# Altium PCB SmartGarden_PCB.PcbDoc (part 1 of 2)
Units mm, origin at the board's own origin, x right, y up, seen from the top; angles counter-clockwise.
Board outline 100 x 70 mm, 4 copper layers (Top Layer, GND, PWR, Bottom Layer), stack 1.446 mm thick; 123 components, 85 nets, 388 pads, 282 vias.
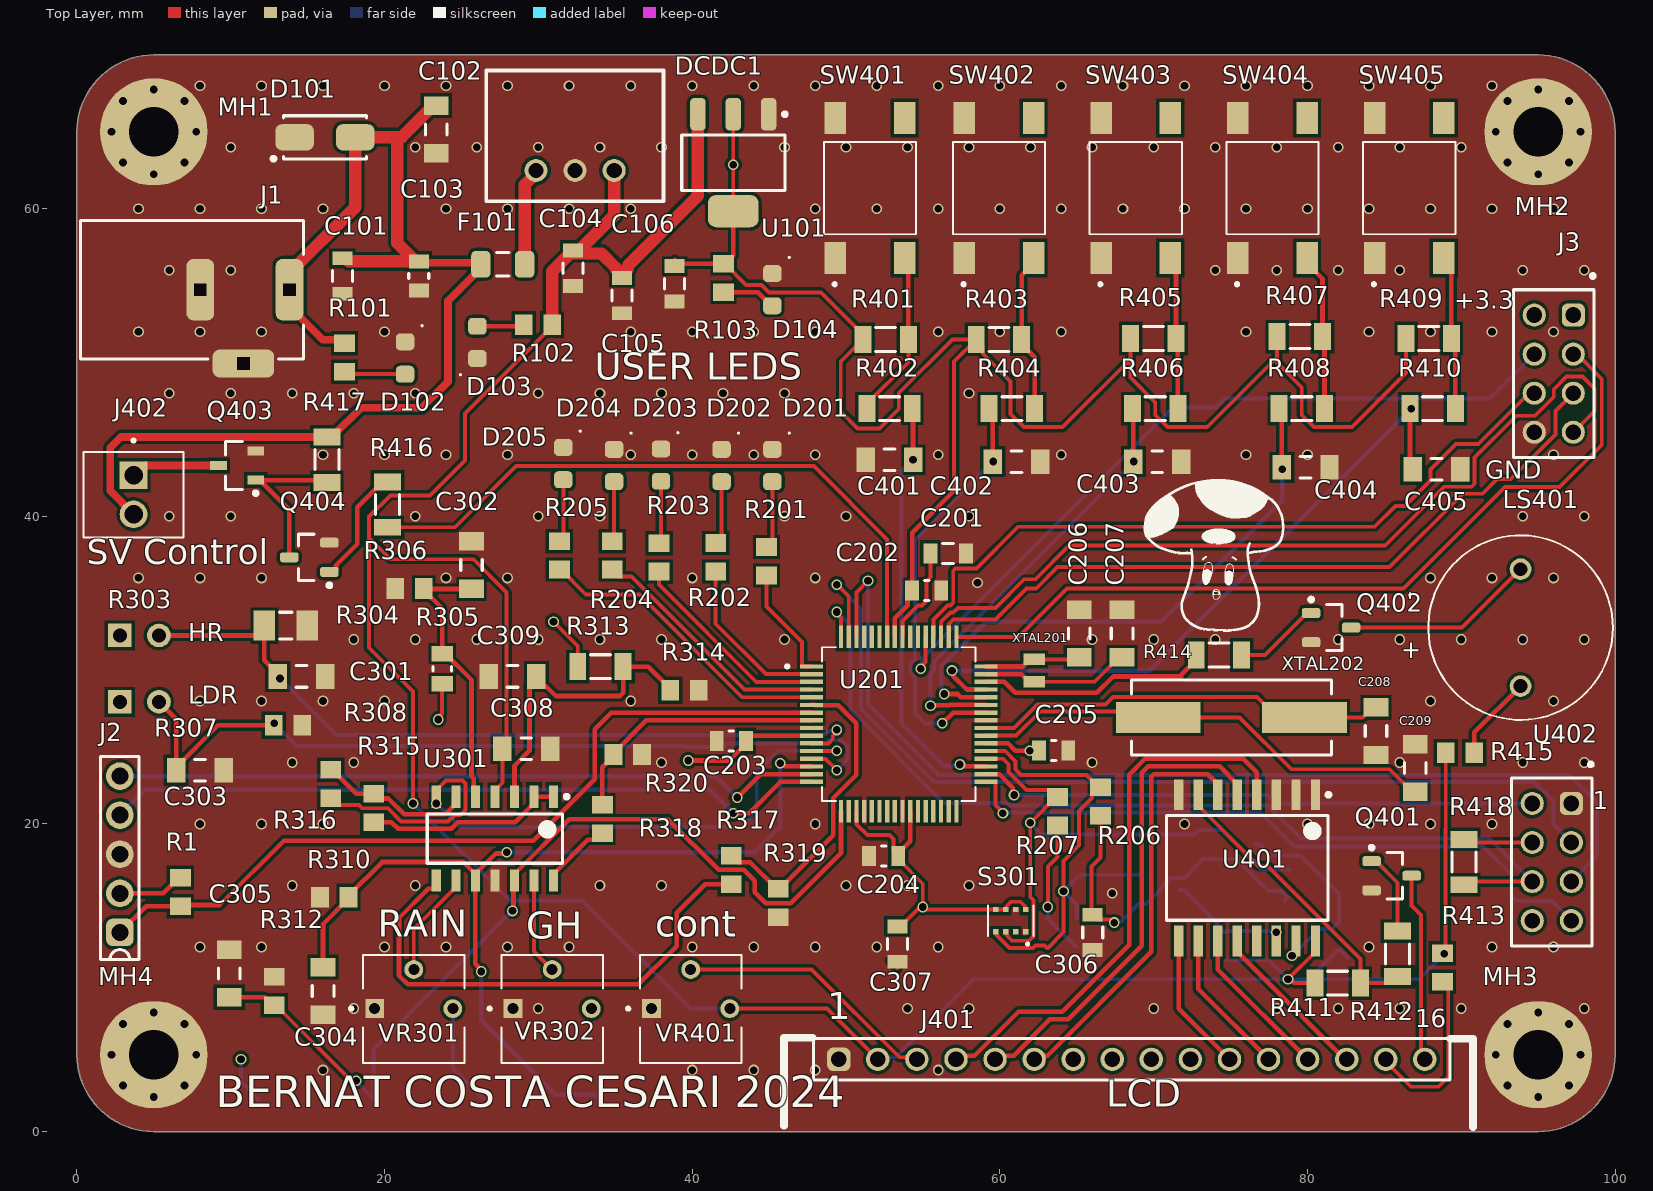
[diagram p0: Top Layer view]
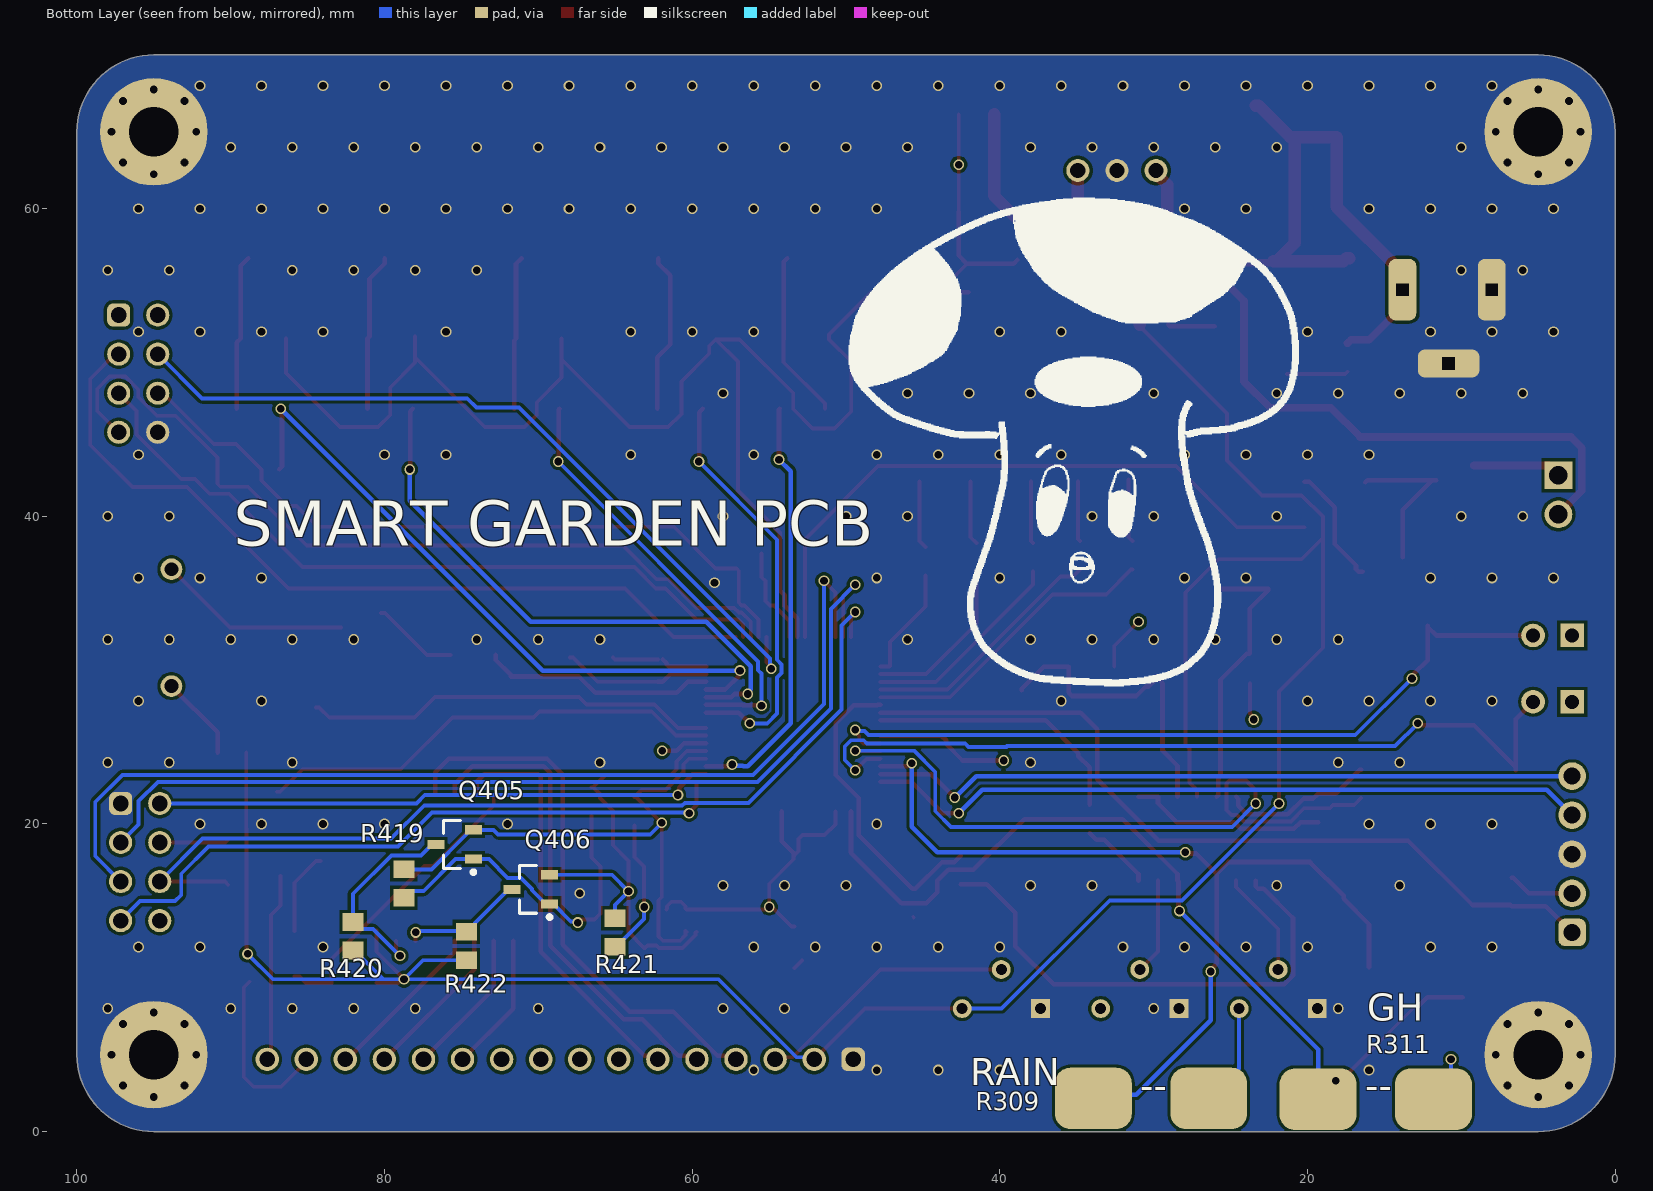
[diagram p1: Bottom Layer view, seen from below]
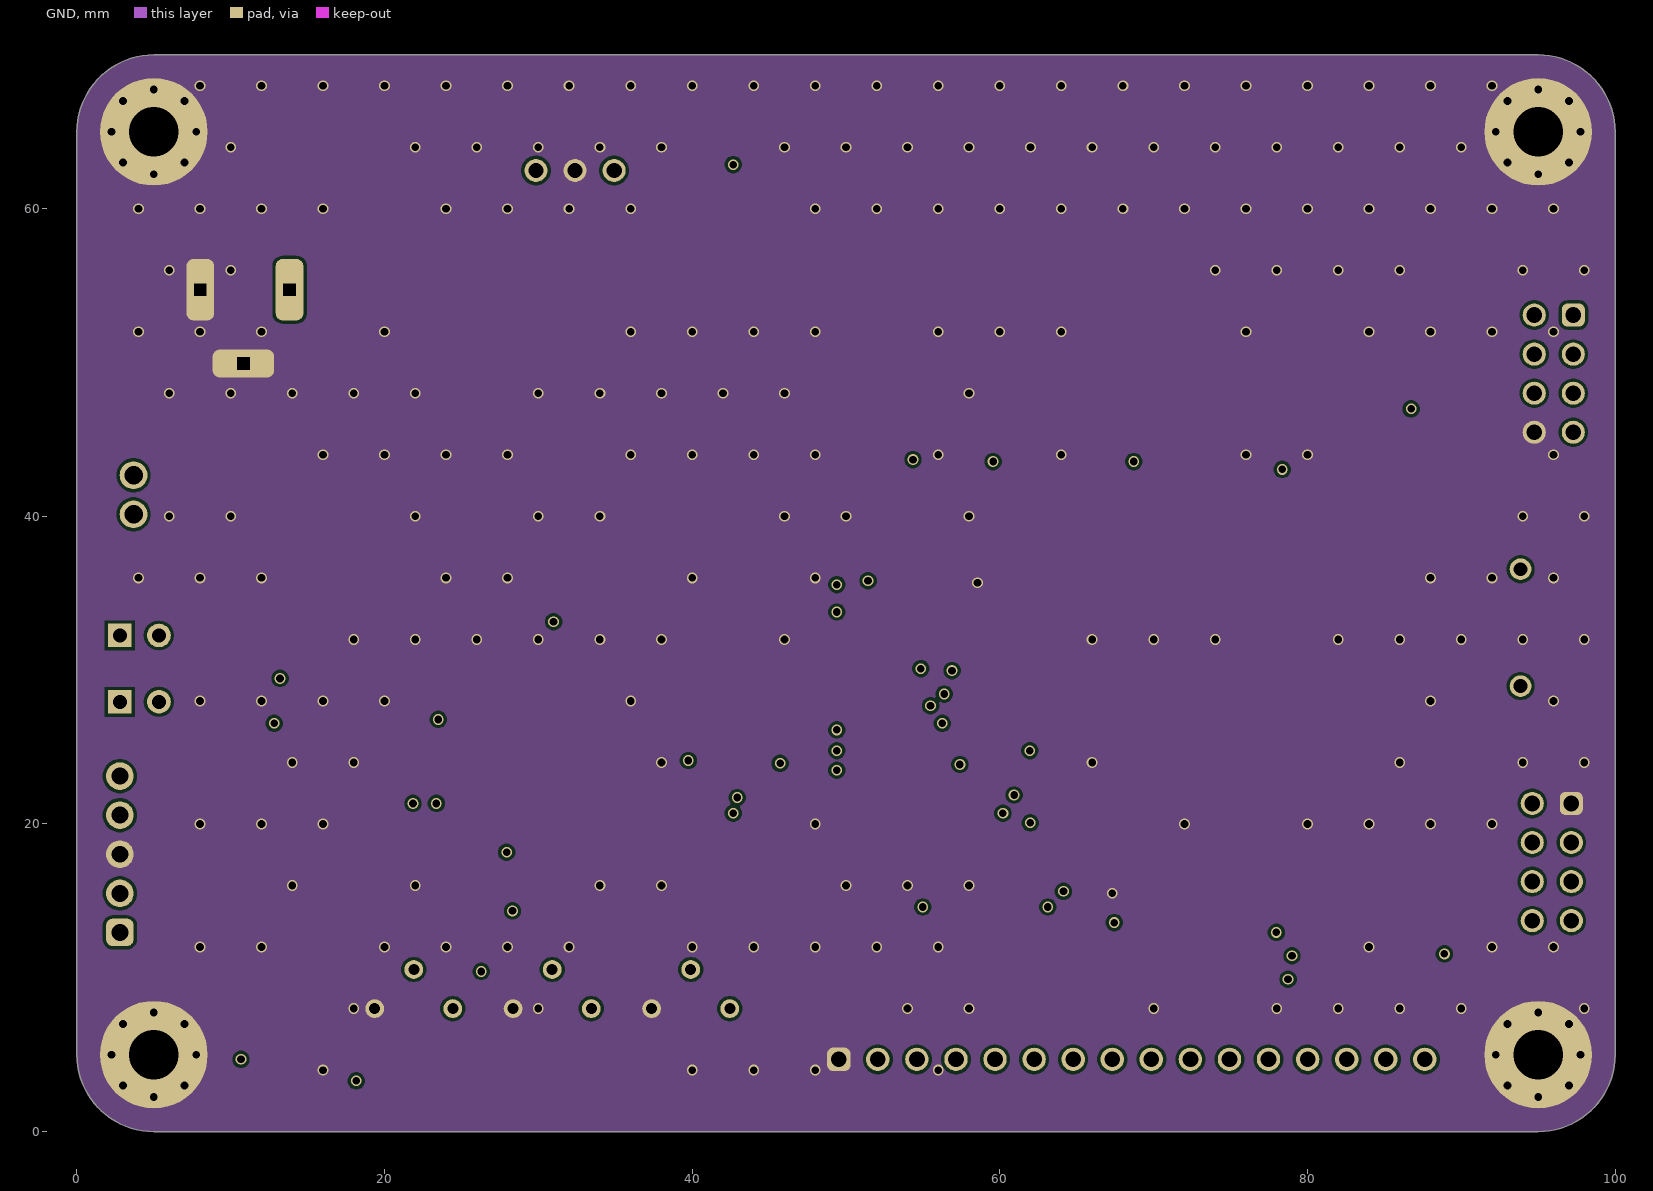
[diagram p2: GND]
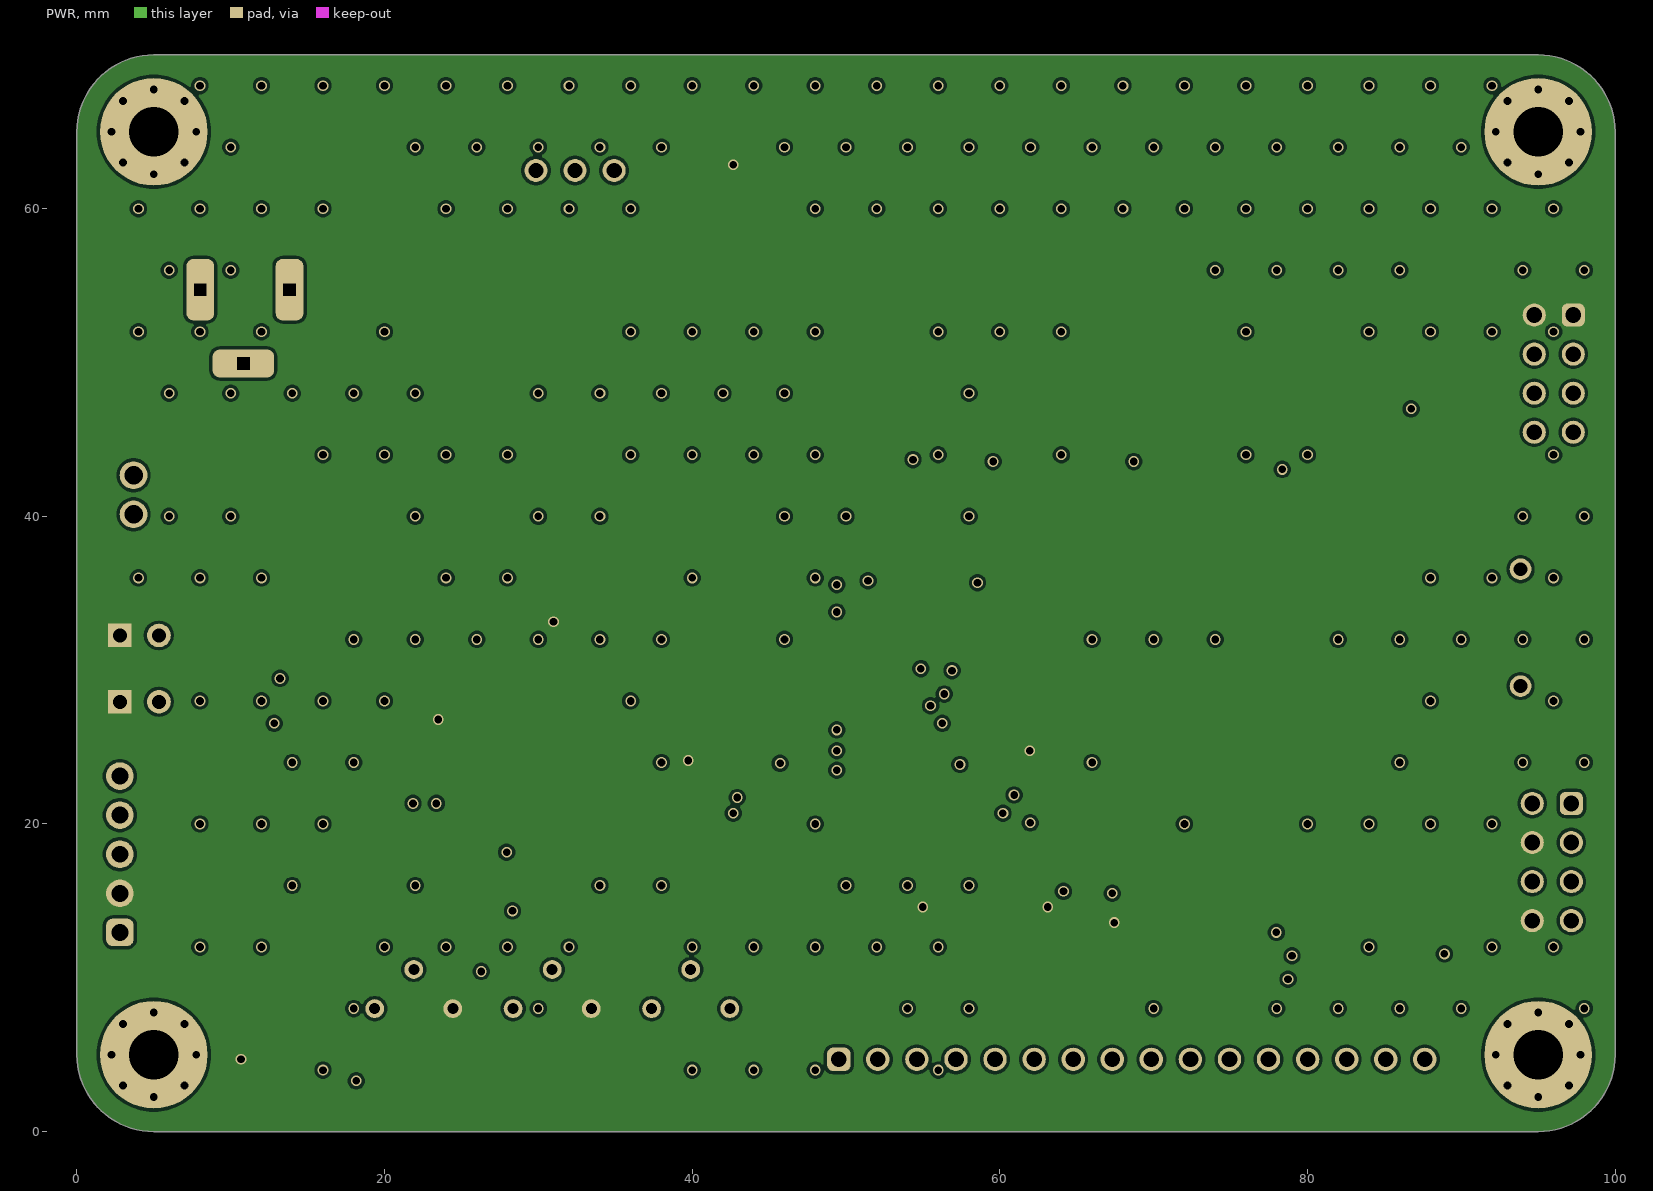
[diagram p3: PWR]
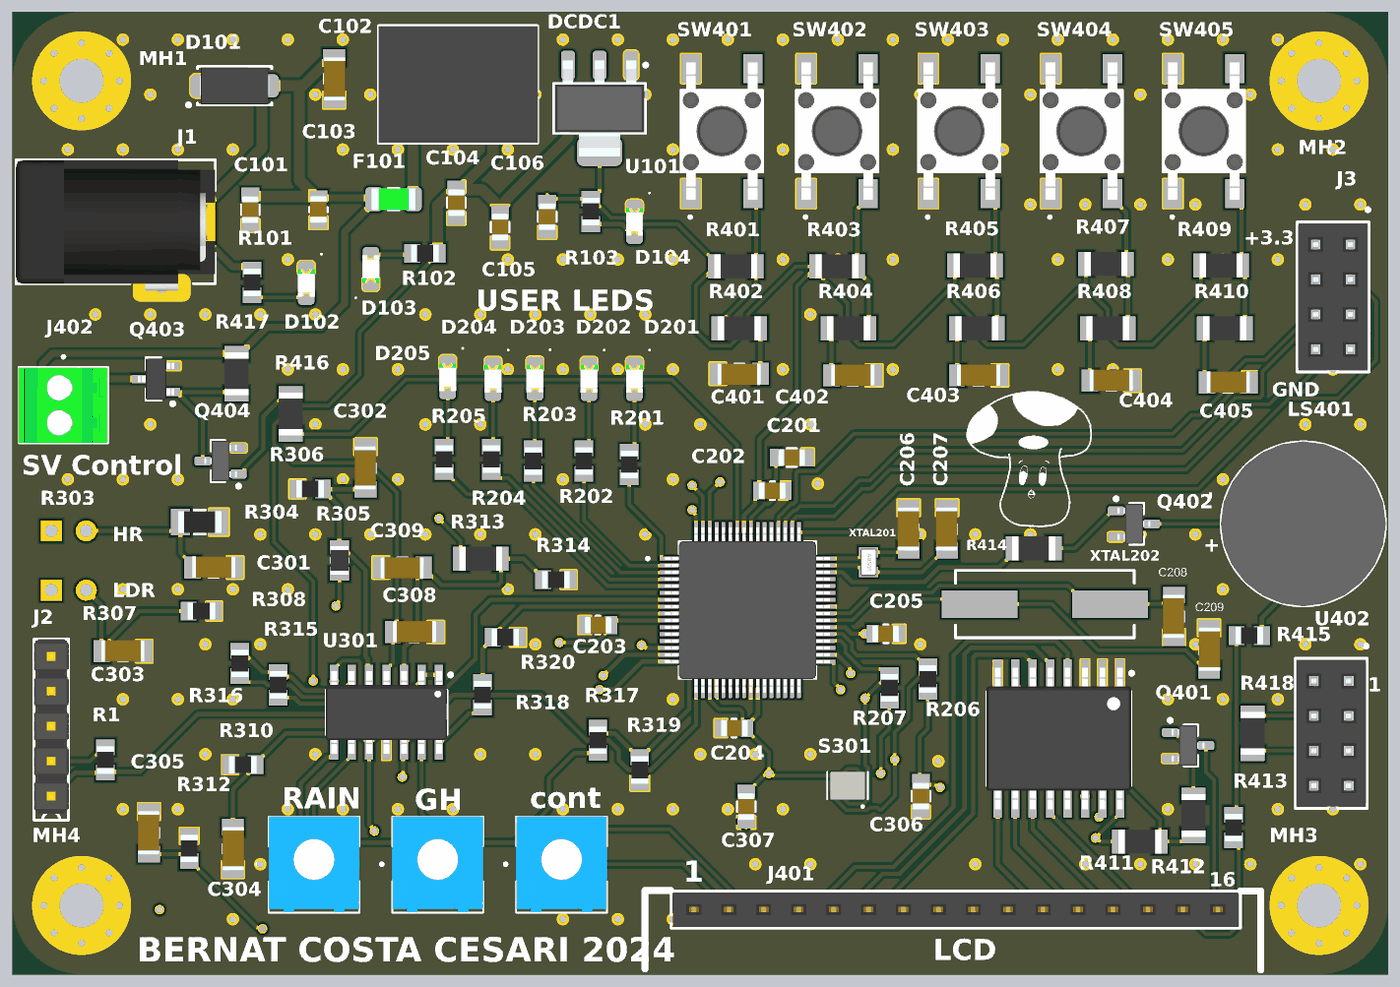
[diagram p5: 3D render of the assembled board from above, using the file's embedded part models]
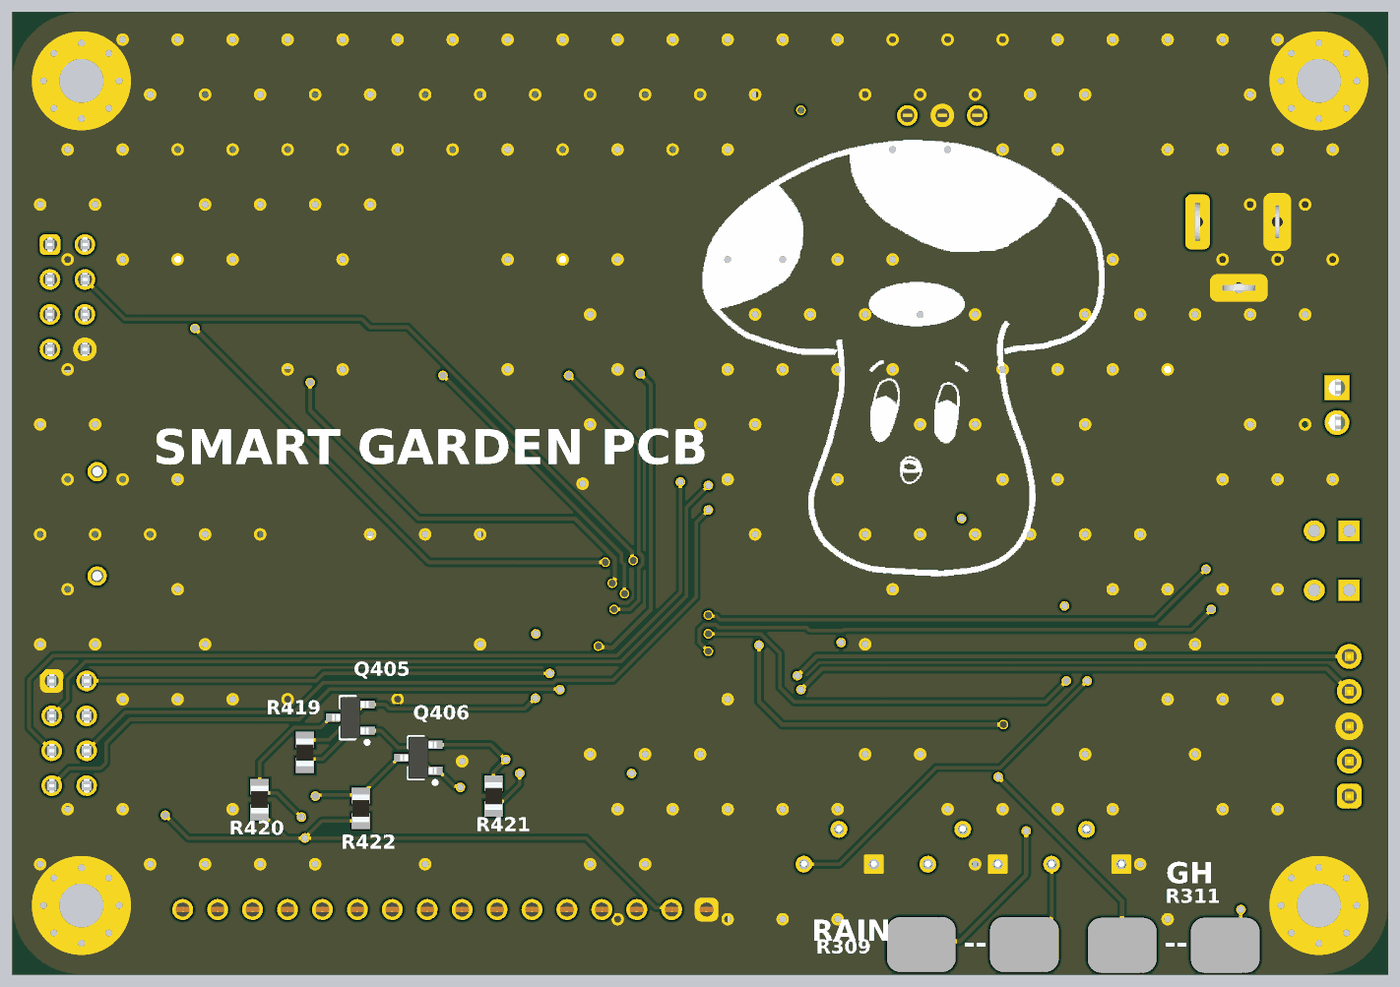
[diagram p6: 3D render of the assembled board from below, using the file's embedded part models]

## Layer stack, top to bottom
Top Solder: solder mask 0.01, Solder Resist, Dk 3.5
Top Layer: signal copper 0.036
Dielectric 2: prepreg 0.0711, PP-006, Dk 4.1
GND: signal copper 0.036
Dielectric 4: prepreg 0.08, PP-006, Dk 4.1
Dielectric 1: dielectric 1, FR-4, Dk 4.8
Dielectric 5: prepreg 0.08, PP-006, Dk 4.1
PWR: signal copper 0.036
Dielectric 3: prepreg 0.0711, PP-006, Dk 4.1
Bottom Layer: signal copper 0.036
Bottom Solder: solder mask 0.01, Solder Resist, Dk 3.5

## Board outline
0,5 0,65 cw(c5,65) 5,70 95,70 cw(c95,65) 100,65 100,5 cw(c95,5) 95,0 5,0 cw(c5,5)

## Design rules (kind name [scope] priority, off if disabled: settings)
Clearance [All] p1: gap=0.2 ignorepadtopadclearanceinfootprint=FALSE
HoleSize [All] p1: absolutevalues=TRUE maxlimit=2.54 minlimit=0.2 maxpercent=80.000 minpercent=20.000
PlaneConnect [All] p1: planeconnectstyle=Direct reliefexpansion=0.508 reliefentries=4 reliefconductorwidth=0.254 reliefairgap=0.254
PolygonConnect [All] p1: connectstyle=Direct reliefconductorwidth=0.254 reliefentries=4 polygonreliefangle="90 Angle" airgapwidth=0.254
RoutingVias [All] p1: holewidth=0.5 width=0.7 viastyle="Through Hole" minholewidth=0.3 minwidth=0.5 maxholewidth=0.711 maxwidth=1.27
SolderMaskExpansion [All] p1: expansion=0.102 istentingtop=FALSE
Width [All] p1: maxlimit=1 minlimit=0.254 preferedwidth=0.254 midlayer1_maxwidth=0.254 midlayer2_maxwidth=0.254 minimp=50.000000 maximp=50.000000 favimp=50.000000
28 further rules are at their usual default settings.

## Classes and differential pairs
component class SmartGarden_PCB: J1 J2 J3 MH1 MH2 MH3 MH4 R1
component class [4]Actuators: C401 C402 C403 C404 C405 J401 J402 LS401 Q401 Q402 Q403 Q404 R401 R402 R403 R404 R405 R406 R407 R408 R409 R410 R411 R412 R413 R414 R415 R416 R417 R418 R419 R420 R421 R422 SW401 SW402 SW403 SW404 SW405 U401 U402 VR401
component class [3]Sensors: C301 C302 C303 C304 C305 C306 C307 C308 C309 R303 R304 R305 R306 R307 R308 R309 R310 R311 R312 R313 R314 R315 R316 R317 R318 R319 R320 S301 U301 VR301 VR302
component class [2]MCU: C201 C202 C203 C204 C205 C206 C207 C208 C209 D201 D202 D203 D204 D205 R201 R202 R203 R204 R205 R206 R207 U201 XTAL201 XTAL202
component class [1]Supply: C101 C102 C103 C104 C105 C106 D101 D102 D103 D104 DCDC1 F101 R101 R102 R103 U101

## Components (designator, comment, footprint, x,y, rotation, side; value= is the part's Value field where it differs from the comment)
C101 "2.2uF" C0805FNPC-W 17.272,55.626 r270 top
C102 "885012208036" C1206FNPC-RW 23.368,65.151 r270 top
C103 "885012207098" C0805FNPC-R 22.225,55.626 r270 top
C104 "2.2uF" C0805FNPC-W 32.258,56.134 r270 top
C105 "2.2uF" C0805FNPC-W 35.433,54.356 r270 top
C106 "2.2uF" C0805FNPC-W 38.862,55.118 r270 top
C201 "2.2uF" C0805FNPC-W 56.642,37.592 r0 top
C202 "885012207098" C0805FNPC-R 55.245,35.179 r0 top
C203 "885012207098" C0805FNPC-R 42.545,25.4 r180 top
C204 "885012207098" C0805FNPC-R 52.451,17.907 r180 top
C205 "885012207098" C0805FNPC-R 63.5,24.765 r0 top
C206 "885012008038" C1206FNPC-RW 65.151,32.385 r90 top
C207 "885012008038" C1206FNPC-RW 67.945,32.385 r90 top
C208 "885012008038" C1206FNPC-RW 84.455,26.035 r90 top
C209 "885012008038" C1206FNPC-RW 86.995,23.648 r270 top
C301 "885012208036" C1206FNPC-RW 14.605,29.591 r0 top
C302 "885012208036" C1206FNPC-RW 25.654,36.83 r90 top
C303 "885012208036" C1206FNPC-RW 8.001,23.495 r0 top
C304 "885012208036" C1206FNPC-RW 16.002,9.144 r270 top
C305 "885012208036" C1206FNPC-RW 9.906,10.287 r90 top
C306 "2.2uF" C0805FNPC-W 66.04,12.954 r270 top
C307 "2.2uF" C0805FNPC-W 53.34,12.192 r270 top
C308 "885012208036" C1206FNPC-RW 29.21,24.892 r0 top
C309 "885012208009" C1206FNPC-RW 28.321,29.591 r180 top
C401 "885012208009" C1206FNPC-RW 52.832,43.688 r180 top
C402 "885012208009" C1206FNPC-RW 61.087,43.561 r0 top
C403 "885012208009" C1206FNPC-RW 70.231,43.561 r0 top
C404 "885012208009" C1206FNPC-RW 79.883,43.18 r0 top
C405 "885012208009" C1206FNPC-RW 88.392,43.053 r0 top
D101 "824501261" DTVS-DO-214AC 16.129,64.643 r180 top
D102 "150080RS75000" LED_0805_WE 21.336,50.292 r270 top
D103 "150080BS75000" LED_0805_WE 26.035,51.308 r90 top
D104 "150080YS75000" LED_0805_WE 45.212,54.737 r270 top
D201 "150080VS75000" LED_0805_WE 45.212,43.307 r270 top
D202 "150080BS75000" LED_0805_WE 41.91,43.307 r270 top
D203 "150080RS75000" LED_0805_WE 37.973,43.334 r270 top
D204 "150080RS75000" LED_0805_WE 34.925,43.307 r270 top
D205 "150080RS75000" LED_0805_WE 31.623,43.434 r270 top
DCDC1 "173010542" DCDC_Magi3c 32.385,62.484 r180 top
F101 "0437001.WRA" Fuse_1206 27.686,56.388 r0 top
J1 "694108301002" 694108301002 7.475,54.737 r270 top
J2 "61300511121" J_PinHeader_1x5 2.794,18.034 r180 top
J3 "J_DualSocketHeader_8" "Dual socket header 8 pins" 96.012,49.276 r270 top
J401 "16 SH" SocketHeader_16_254 68.58,4.699 r0 top
J402 "J_2_CableContact" TE_282834-2 3.683,41.402 r270 top
LS401 "Buzzer" CUI_CMI-1275C-050 93.853,32.766 r90 top
MH1 "Mounting_Hole_M3" Mounting_Hole_M3 5,65 r0 top
MH2 "Mounting_Hole_M3" Mounting_Hole_M3 95,65 r0 top
MH3 "Mounting_Hole_M3" Mounting_Hole_M3 95,5 r0 top
MH4 "Mounting_Hole_M3" Mounting_Hole_M3 5,5 r0 top
Q401 "BC817-25LT1G" TRT-NPN-0.5/45-SOT23 85.471,16.637 r0 top
Q402 "BC817-25LT1G" TRT-NPN-0.5/45-SOT23 81.534,32.766 r0 top
Q403 "TRT_NCH_FDN327N" SuperSOT3 10.414,43.307 r180 top
Q404 "BC817-25LT1G" TRT-NPN-0.5/45-SOT23 15.113,37.338 r180 top
Q405 "TRT_NCH_FDN327N" SuperSOT3 75.438,18.669 r0 bottom
Q406 "TRT_NCH_FDN327N" SuperSOT3 70.485,15.748 r0 bottom
R1 "CR0805-JW-103ELF" R0805FTK 6.731,15.585 r270 top
R101 "CR0805-JW-102ELF" R0805FTK 17.399,50.328 r270 top
R102 "CR0805-FX-4700GLF" R0805FTK 29.972,52.451 r180 top
R103 "CR0805-FX-1000ELF" R0805FTK 42.037,55.499 r90 top
R201 "CR0805-FX-4700GLF" R0805FTK 44.831,37.084 r90 top
R202 "CR0805-FX-4700GLF" R0805FTK 41.529,37.338 r90 top
R203 "CR0805-FX-4700GLF" R0805FTK 37.846,37.334 r90 top
R204 "CR0805-FX-4700GLF" R0805FTK 34.798,37.465 r90 top
R205 "CR0805-FX-4700GLF" R0805FTK 31.369,37.465 r90 top
R206 "CR0805-JW-103ELF" R0805FTK 66.548,21.463 r90 top
R207 "CR0805-JW-103ELF" R0805FTK 63.754,20.828 r90 top
R303 "HR Sensor" HR_Sensor 2.794,32.258 r0 top
R304 "CRCW120630K0FKEA" R1206FTK-W 13.589,32.893 r0 top
R305 "NTC10k" NTC10k_0805 23.749,30.099 r90 top
R306 "CR0805-JW-103ELF" R0805FTK 21.626,35.306 r180 top
R307 "LDR" HR_Sensor 2.794,27.94 r0 top
R308 "430kR" R0805FTK 13.716,26.416 r0 top
R309 "Rain Sensor" EXTERNAL_SENSOR 26.416,2.159 r0 bottom
R310 "CR0805-JW-103ELF" R0805FTK 16.728,15.24 r180 top
R311 "GH Sensor" EXTERNAL_SENSOR 11.811,2.102 r0 bottom
R312 "CR0805-JW-103ELF" R0805FTK 12.827,9.144 r90 top
R313 "12k" R1206 34.036,30.226 r0 top
R314 "CR0805-JW-103ELF" R0805FTK 39.497,28.702 r0 top
R315 "CR0805-JW-103ELF" R0805FTK 19.304,21.046 r90 top
R316 "CR0805-JW-103ELF" R0805FTK 16.51,22.606 r270 top
R317 "CR0805-JW-103ELF" R0805FTK 42.545,17.018 r90 top
R318 "CR0805-JW-103ELF" R0805FTK 34.163,20.32 r90 top
R319 "22kR" R0805FTK 45.593,14.859 r270 top
R320 "22kR" R0805FTK 35.814,24.511 r0 top
R401 "12k" R1206 52.578,51.5 r180 top
R402 "12k" R1206 52.832,47 r0 top
R403 "12k" R1206 59.944,51.5 r180 top
R404 "12k" R1206 60.784,47 r180 top
R405 "12k" R1206 69.977,51.562 r180 top
R406 "12k" R1206 70.104,47 r180 top
R407 "12k" R1206 79.502,51.689 r180 top
R408 "12k" R1206 79.629,47 r180 top
R409 "12k" R1206 87.884,51.562 r180 top
R410 "12k" R1206 88.138,47 r180 top
R411 "12k" R1206 81.964,9.652 r0 top
R412 "12k" R1206 85.852,11.557 r90 top
R413 "CR0805-FX-4700GLF" R0805FTK 88.773,10.668 r270 top
R414 "12k" R1206 74.246,30.988 r0 top
R415 "CR0805-JW-102ELF" R0805FTK 89.916,24.638 r0 top
R416 "12k" R1206 20.193,40.767 r90 top
R417 "12k" R1206 16.256,43.688 r270 top
R418 "12k" R1206 90.17,17.526 r270 top
R419 "CR0805-JW-103ELF" R0805FTK 78.74,16.129 r90 bottom
R420 "CR0805-JW-103ELF" R0805FTK 82.042,12.7 r270 bottom
R421 "CR0805-JW-103ELF" R0805FTK 65.024,12.954 r90 bottom
R422 "CR0805-JW-103ELF" R0805FTK 74.676,12.065 r270 bottom
S301 "DPS310XTSA1" XDCR_DPS310XTSA1 60.706,13.716 r270 top
SW401 "Tactile SW" SW_2-1437565-7 51.562,61.341 r90 top
SW402 "Tactile SW" SW_2-1437565-7 59.944,61.341 r90 top
SW403 "Tactile SW" SW_2-1437565-7 68.834,61.341 r90 top
SW404 "Tactile SW" SW_2-1437565-7 77.724,61.341 r90 top
SW405 "Tactile SW" SW_2-1437565-7 86.614,61.341 r90 top
U101 "LM1117IMP-3.3/NOPB" LDO_10V-0.8/3V3-SOT223 42.672,62.992 r270 top
U201 "PIC32MX340F512H" QFP50P1200X1200X120_64N 53.428,26.492 r0 top locked
U301 "OpAmp" LM324_OpAmp 27.178,19.05 r270 top
U401 "PCF8574ADW_I2C_8bit_I/O_Expander" PCF8574A_SOIC16 76.073,17.145 r270 top
U402 "ESP01_WiFiModule" "Dual socket header 8 pins" 95.885,17.526 r270 top
VR301 "Trimmer_10k_THT" TRIM_3362P-1-103LF 21.9,8 r0 top
VR302 "Trimmer_10k_THT" TRIM_3362P-1-103LF 30.9,8 r0 top
VR401 "Trimmer_10k_THT" TRIM_3362P-1-103LF 39.905,8 r0 top
XTAL201 "32.768k" XTAL_ABS06-32.768KHZ-9-T 62.23,29.972 r270 top
XTAL202 "830028710" XTAL20M_SMD 75.057,26.924 r180 top

## Footprints (in the part's own frame and the unit in brackets; to place one, negate y for a bottom-side part, rotate by r counter-clockwise, add the part's x,y. Pads: shape width x height; smd on the part's side, far side on the other; paste and mask are expansions set on the pad)
694108301002 [mm] "DC Power Jack Right Angled(6.4)"
  rrect50% 4x1.8 hole 0.8 square: 1(0,6.35) 2(0,0.55)
  rrect50% 1.8x4 hole 0.8 square: 3(4.8,3.35)
  silkscreen extent -4.5,-7.25 4.5,7.25, body extent -4.5,-7.25 5,7.25, height 10.75
C0805FNPC-R [mm]
  rect 0.9x1.3 smd: 1(-0.95,0) 2(0.95,0)
  silkscreen extent -0.15,-0.65 0.15,0.65, body extent -1.03,-0.63 0.97,0.63, height 0.96
C0805FNPC-W [mm]
  rect 0.9x1.3 smd: 1(-1.15,0) 2(1.15,0)
  silkscreen extent -0.35,-0.65 0.35,0.65, body extent -1,-0.63 1,0.63, height 0.96
C1206FNPC-RW [mm] "Chip Capacitor, 2-Leads, Body 3,20x1,60mm, IPC Medium Density"
  rect 1.2x1.6 smd: 1(-1.55,0) 2(1.55,0)
  silkscreen extent -0.35,-0.7 0.35,0.7, body extent -1.59,-0.77 1.61,0.83, height 0.91
CUI_CMI-1275C-050 [mm]
  round 1.408 hole 0.9: N(3.8,0) P(-3.8,0)
  silkscreen extent -6,-6 6,6, body extent -6,-5.99 6,5.99, height 8.1
DCDC_Magi3c [mm]
  round 1.5 hole 1: 1(2.54,0) 2(0,0) 3(-2.54,0)
  silkscreen extent -5.75,-6.5 5.77,2, body extent -5.8,-6.5 5.8,2, height 10.2
DTVS-DO-214AC [mm] "Molded Diode, 2-Leads, Body 5,11x2,67mm, IPC Medium Density"
  rrect50% 2.5x1.7 smd: 1(-1.975,0) 2(1.975,0)
  silkscreen extent -2.7,-1.4 3.47,1.52, body extent -2.56,-1.34 2.56,1.34, height 2.5
"Dual socket header 8 pins" [mm] "Socket Header, Pitch 2.54 mm, THT, Vertical, dual row, 8p"
  rrect50% 1.5x1.5 hole 1.02: 1(-3.81,1.27)
  round 1.5 hole 1.02: 2(-3.81,-1.27) 3(-1.27,1.27) 4(-1.27,-1.27) 5(1.27,1.27) 6(1.27,-1.27) 7(3.81,1.27) 8(3.81,-1.27)
  silkscreen extent -6.47,-2.62 5.46,2.66, body extent -5.33,-2.54 5.33,2.54, height 8.45
EXTERNAL_SENSOR [mm] "2 PADS FOR EXTERNAL SOLDERING"
  rrect50% 5x4 smd: 1(0,0) 2(7.5,0)
Fuse_1206 [mm] "Chip Resistor, 2-Leads, Body 3,20x1,58mm, IPC Medium Density"
  rrect50% 1.25x1.75 smd: 1(-1.425,0) 2(1.425,0)
  silkscreen extent -0.4,-0.77 0.4,0.77, body extent -1.6,-0.79 1.6,0.79, height 0.86
HR_Sensor [mm]
  rect 1.54x1.524 hole 0.9: 1(0,0)
  oval 1.54x1.524 hole 0.9: 2(2.54,0)
J_PinHeader_1x5 [mm]
  rrect50% 1.8x1.8 hole 1.1: 1(0,5.08)
  round 1.8 hole 1.1: 2(0,2.54) 3(0,0) 4(0,-2.54) 5(0,-5.08)
  silkscreen extent -1.25,-6.35 1.25,6.83, body extent -1.27,-6.35 1.27,6.35, height 9.5
LDO_10V-0.8/3V3-SOT223 [mm] "SOT223, 4-Leads, Body 6,50x7,00mm (avg), Pitch 2,30mm, IPC Low Density"
  rrect50% 2.1x1 smd: 1(-3.15,2.3) 2(-3.15,0) 3(-3.15,-2.3)
  rrect50% 2.1x3.3 smd: 4(3.15,0)
  silkscreen extent -3.27,-3.35 1.8,3.48, body extent -3.5,-3.25 3.5,3.25, height 1.81
LED_0805_WE [mm] "SODFL, 2-Leads, Body 1,60x3,20mm, IPC Medium Density"
  rrect50% 1.1x1.2 smd: A(1.05,0) K(-1.05,0)
  silkscreen extent -2.15,1.05 -2.05,1.15, body extent -1,-0.62 1,0.63, height 0.7
LM324_OpAmp [mm] "SOIC, 14-Leads, Body 8,65x3,90mm, Pitch 1,27mm, IPC Medium Density"
  rect 1.45x0.6 smd: 1(-2.725,3.81) 2(-2.725,2.54) 3(-2.725,1.27) 4(-2.725,0) 5(-2.725,-1.27) 6(-2.725,-2.54) 7(-2.725,-3.81) 8(2.725,-3.81) 9(2.725,-2.54) 10(2.725,-1.27) 11(2.725,0) 12(2.725,1.27) 13(2.725,2.54) 14(2.725,3.81)
  silkscreen extent -2.85,-4.4 1.6,4.79, body extent -3,-4.4 3,4.4, height 1.5
Mounting_Hole_M3 [mm]
  round 7 hole 3.2: 1(0,0)
NTC10k_0805 [mm] "Chip Resistor, 2-Leads, Body 1,00x0,50mm, IPC Medium Density"
  rect 1x1.4 smd: 1(-0.975,0) 2(0.975,0)
  silkscreen extent -0.15,-0.6 0.15,0.6, body extent -1.05,-0.65 1.05,0.65, height 0.8
PCF8574A_SOIC16 [mm]
  rect 2x0.6 smd: 1(-4.75,4.445) 2(-4.75,3.175) 3(-4.75,1.905) 4(-4.75,0.635) 5(-4.75,-0.635) 6(-4.75,-1.905) 7(-4.75,-3.175) 8(-4.75,-4.445) 9(4.75,-4.445) 10(4.75,-3.175) 11(4.75,-1.905) 12(4.75,-0.635) 13(4.75,0.635) 14(4.75,1.905) 15(4.75,3.175) 16(4.75,4.445)
  silkscreen extent -4.87,-5.25 3.4,5.42, body extent -5.15,-5.25 5.15,5.25, height 2.65
QFP50P1200X1200X120_64N [mm]
  rect 1.47x0.28 smd: 1(-5.67,3.75) 2(-5.67,3.25) 3(-5.67,2.75) 4(-5.67,2.25) 5(-5.67,1.75) 6(-5.67,1.25) 7(-5.67,0.75) 8(-5.67,0.25) 9(-5.67,-0.25) 10(-5.67,-0.75) 11(-5.67,-1.25) 12(-5.67,-1.75) 13(-5.67,-2.25) 14(-5.67,-2.75) 15(-5.67,-3.25) 16(-5.67,-3.75) 33(5.67,-3.75) 34(5.67,-3.25) 35(5.67,-2.75) 36(5.67,-2.25) 37(5.67,-1.75) 38(5.67,-1.25) 39(5.67,-0.75) 40(5.67,-0.25) 41(5.67,0.25) 42(5.67,0.75) 43(5.67,1.25) 44(5.67,1.75) 45(5.67,2.25) 46(5.67,2.75) 47(5.67,3.25) 48(5.67,3.75)
  rect 0.28x1.47 smd: 17(-3.75,-5.67) 18(-3.25,-5.67) 19(-2.75,-5.67) 20(-2.25,-5.67) 21(-1.75,-5.67) 22(-1.25,-5.67) 23(-0.75,-5.67) 24(-0.25,-5.67) 25(0.25,-5.67) 26(0.75,-5.67) 27(1.25,-5.67) 28(1.75,-5.67) 29(2.25,-5.67) 30(2.75,-5.67) 31(3.25,-5.67) 32(3.75,-5.67) 49(3.75,5.67) 50(3.25,5.67) 51(2.75,5.67) 52(2.25,5.67) 53(1.75,5.67) 54(1.25,5.67) 55(0.75,5.67) 56(0.25,5.67) 57(-0.25,5.67) 58(-0.75,5.67) 59(-1.25,5.67) 60(-1.75,5.67) 61(-2.25,5.67) 62(-2.75,5.67) 63(-3.25,5.67) 64(-3.75,5.67)
  silkscreen extent -7.35,-5 5,5, body extent -6,-6 6,6, height 1.18
R0805FTK [mm] "Chip Resistor, 2-Leads, Body 2,00x1,25mm, IPC Medium Density"
  rect 1.15x1.35 smd: 1(-0.925,0) 2(0.925,0)
  body extent -1,-0.63 1,0.63, height 0.65
R1206 [mm] "Chip Resistor, 2-Leads, Body 3,10x1,60mm, IPC Medium Density"
  rect 1.1x1.75 smd: 1(-1.475,0) 2(1.475,0)
  silkscreen extent -0.65,-0.77 0.65,0.77, body extent -1.56,-0.87 1.56,0.87, height 0.65
R1206FTK-W [mm] "Chip Resistor, 2-Leads, Body 3,15x1,60mm, IPC Medium Density"
  rect 1.4x1.95 smd: 1(-1.4,0) 2(1.4,0)
  silkscreen extent -0.4,-0.87 0.4,0.87, body extent -1.58,-0.8 1.58,0.8, height 0.61
SocketHeader_16_254 [mm] "Socket Header, Pitch 2.54 mm, THT, Vertical, single row, 16p"
  rrect50% 1.52x1.52 hole 1.02: 1(-19.05,0)
  round 1.52 hole 1.02: 2(-16.51,0) 3(-13.97,0) 4(-11.43,0) 5(-8.89,0) 6(-6.35,0) 7(-3.81,0) 8(-1.27,0) 9(1.27,0) 10(3.81,0) 11(6.35,0) 12(8.89,0) 13(11.43,0) 14(13.97,0) 15(16.51,0) 16(19.05,0)
  silkscreen extent -20.7,-1.35 20.7,1.35, body extent -20.57,-1.25 20.57,1.25, height 8.55
SuperSOT3 [mm] "SOT23, 3-Leads, Body 2,92x2,51mm, Pitch 0,95mm, IPC Medium Density"
  rect 1.1x0.6 smd: D(1.215,0) G(-1.215,0.95) S(-1.215,-0.95)
  silkscreen extent -1.34,-1.55 0.74,1.92, body extent -1.32,-1.53 1.32,1.53, height 0.93
SW_2-1437565-7 [mm]
  rect 2.1x1.4 smd: 1(-4.55,2.25) 2(4.55,2.25) 3(-4.55,-2.25) 4(4.55,-2.25)
  silkscreen extent -6.35,-3 3,3, body extent -5,-3 5,3, height 8.5
TE_282834-2 [mm]
  rect 1.8x1.8 / inner round 1.8 / far side rect 1.8x1.8 hole 1.2: 1(-1.27,0)
  round 1.8 hole 1.2: 2(1.27,0)
  silkscreen extent -3.62,-3.25 2.77,3.25, body extent -2.73,-3.3 2.75,3.2, height 8.7
TRIM_3362P-1-103LF [mm]
  rect 1.222x1.222 / inner round 1.222 / far side rect 1.222x1.222 hole 0.714: 1(-2.54,0)
  round 1.222 hole 0.714: 2(0,2.54) 3(2.54,0)
  silkscreen extent -4.16,-3.53 3.3,3.47, body extent -3.3,-3.49 3.3,3.49, height 4.88
TRT-NPN-0.5/45-SOT23 [mm] "SOT23, 3-Leads, Body 2,92x2,37mm, Pitch 0,95mm, IPC Low Density"
  rrect50% 1.2x0.65 smd: B(-1.3,0.95) C(1.3,0) E(-1.3,-0.95)
  silkscreen extent -1.42,-1.5 0.7,1.95, body extent -1.18,-1.46 1.19,1.46, height 1.12
XDCR_DPS310XTSA1 [mm]
  rect 0.35x0.35 smd paste-1: 1(0.725,0.975) 2(0.725,0.325) 3(0.725,-0.325) 4(0.725,-0.975) 5(-0.725,-0.975) 6(-0.725,-0.325) 7(-0.725,0.325) 8(-0.725,0.975)
  silkscreen extent -1,-1.47 1.6,1.47, body extent -1,-1.25 1,1.25, height 1
XTAL20M_SMD [mm]
  rect 5.5x2 smd: 1(-4.75,0) 2(4.75,0)
  silkscreen extent -6.5,-2.45 6.5,2.45, body extent -6.65,-2.47 6.65,2.48, height 4.3
XTAL_ABS06-32.768KHZ-9-T [mm]
  rect 0.75x1.4 smd: 1(-0.725,0) 2(0.725,0)
  body extent -1,-0.6 1,0.6, height 0.61
